# Altium PCB RevA2.PcbDoc (part 1 of 6) (continued)
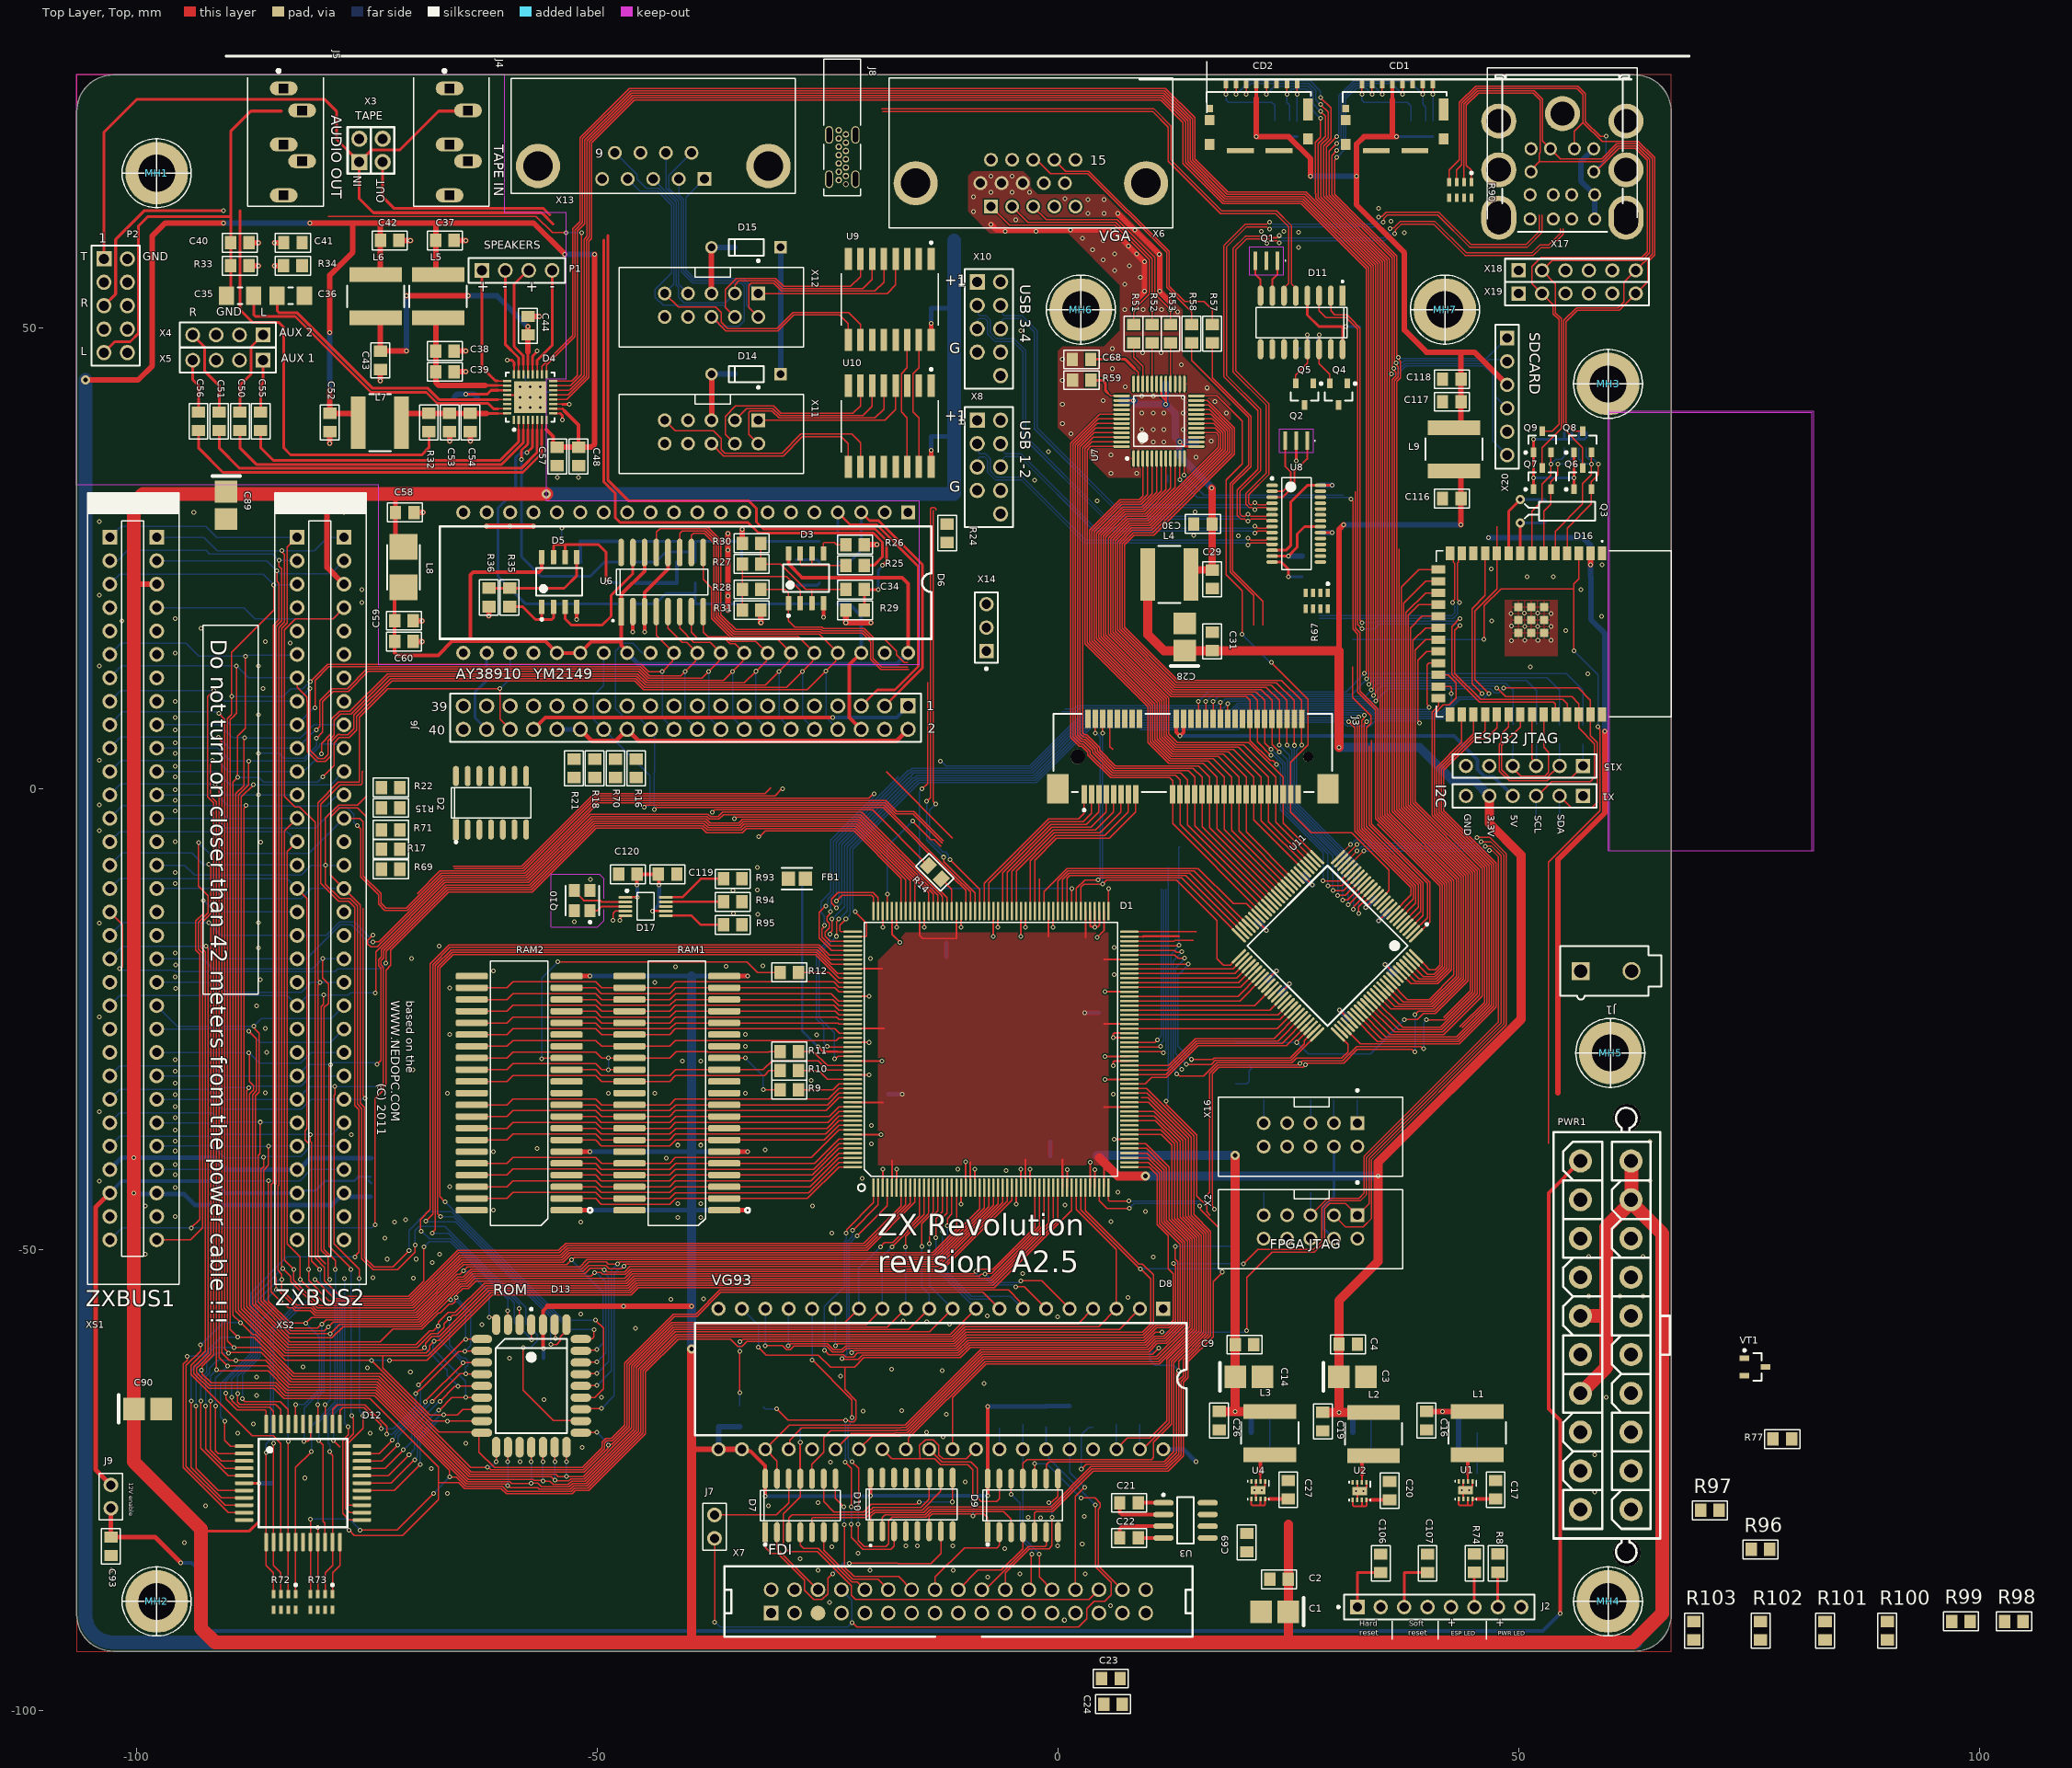
[diagram p0: Top Layer, Top view]
## Components (designator, comment, footprint, x,y, rotation, side; value= is the part's Value field where it differs from the comment) (continued)
J3 "2041262-1" FP-2041262-1-0 14.65,3.9 r0 top locked
J4 "SJ1-3535NG-PI" CUI_SJ1-3535NG-PI -66,76 r270 top
J5 "SJ1-3535NG-PI" CUI_SJ1-3535NG-PI -84,76 r270 top
J6 "61304021121" 61304021121 -40.38,7.73 r180 top locked
J7 "JUMPER" JUMPER_JUMPER(Primary) -37.25,-78.75 r270 top value=PLS-2
J8 "2169890001" 216989-0001_MOL -23,71 r180 top
J9 "JUMPER" JUMPER_JUMPER(Primary) -102.75,-78.04 r90 top value=PLS-2
L1 "NR6028T2R2N" FP-NR6028-MFG 45.5,-69.875 r90 top
L2 "NR6028T2R2N" FP-NR6028-MFG 34.25,-69.975 r90 top
L3 "NR6028T2R2N" FP-NR6028-MFG 23,-69.875 r90 top
L4 "NR6028T470M" FP-NR6028-MFG 12.1,23.25 r0 top
L5 "NR6028T470M" FP-NR6028-MFG -67.25,53.45 r270 top
L6 "NR6028T470M" FP-NR6028-MFG -74,53.45 r270 top
L7 "NR6028T470M" FP-NR6028-MFG -73.55,39.75 r0 top
L8 "LQH43CN220K03L" FP-LQH43CN_03-MFG -71,24.05 r270 top
L9 "NR6028T470M" FP-NR6028-MFG 43,36.85 r90 top
MH1 "MOUNT HOLE" "MOUNT HOLE" -97.78,66.8 r0 top locked
MH2 "MOUNT HOLE" "MOUNT HOLE" -97.78,-88.14 r0 top locked
MH3 "MOUNT HOLE" "MOUNT HOLE" 59.7,43.94 r0 top locked
MH4 "MOUNT HOLE" "MOUNT HOLE" 59.7,-88.14 r0 top locked
MH5 "MOUNT HOLE" "MOUNT HOLE" 59.95,-28.64 r0 top locked
MH6 "MOUNT HOLE" "MOUNT HOLE" 2.5,52 r0 top locked
MH7 "MOUNT HOLE" "MOUNT HOLE" 42,52 r0 top locked
NT1 "net_tie" NET_TIE -55.419,43.061 r180 bottom net-tie
NT2 "net_tie" NET_TIE -57.786,44.419 r90 bottom net-tie
NT3 "net_tie" NET_TIE 11.903,33.669 r90 bottom net-tie
P1 "PLS-4" 61300411121 -58.69,56.25 r0 top value="header 4 pin 2.54mm"
P2 "61301021121" 61301021121 -102.23,52.42 r270 top
PWR1 "ATXPOWER" ATXPOWER 56.706,-78.163 r90 top locked
Q1 "QTAL-12MHz" MURA-CSTCE_G_V 22.631,57.309 r180 top value=CSTCE12M0G55Z-R0
Q2 "QTAL-12MHz" MURA-CSTCE_G_V 25.863,37.774 r180 top value=CSTCE12M0G55Z-R0
Q3 "Crystal 32.768KHZ" ABRA-AB15T-2_V 50.182,30.127 r180 top value=AB15T-32.768KHZ
Q4 "BC817K-25" SOT-23 30.45,42.825 r270 top
Q5 "BC817K-25" SOT-23 26.76,42.825 r270 top
Q6 "BSS138" SOT-23 56.95,33.65 r90 top
Q7 "BSS138" SOT-23 52.55,33.65 r90 top
Q8 "BSS138" SOT-23 56.95,37.65 r90 top
Q9 "BSS138" SOT-23 52.55,37.65 r90 top
Q10 "ABM8G-25MHz" FP-ABM8G-MFG -51.6,-12.1 r90 top value=ABM8G-25.000MHZ-B4Y-T
R1 "CR0805-51" CR0805 44.5,-74.325 r180 bottom value=51Ω
R2 "CR0805-51" CR0805 44.5,-69.825 r180 bottom value=51Ω
R3 "CR0805-51" CR0805 33,-72.025 r180 bottom value=51Ω
R4 "CR0805-51" CR0805 33,-67.625 r180 bottom value=51Ω
R5 "CR0805-51" CR0805 36.5,-49.32 r180 bottom value=51Ω
R6 "CR0805-51" CR0805 22,-72.025 r180 bottom value=51Ω
R7 "CR0805-51" CR0805 22,-67.525 r180 bottom value=51Ω
R8 "CR0805-51" CR0805 47.74,-84 r90 top value=51Ω
R9 "CR0805-51" CR0805 -29.134,-32.625 r180 top value=51Ω
R10 "CR0805-51" CR0805 -29.134,-30.562 r180 top value=51Ω
R11 "CR0805-51" CR0805 -29.136,-28.483 r180 top value=51Ω
R12 "CR0805-51" CR0805 -29.136,-19.903 r180 top value=51Ω
R13 "CR0805-51" CR0805 -11.5,8.75 r90 bottom value=51Ω
R14 "CR0805-51" CR0805 -13.343,-9.038 r135 top value=51Ω
R15 "CR0805-51" CR0805 -72.375,-2.05 r180 top value=51Ω
R16 "CR0805-51" CR0805 -45.75,2.25 r270 top value=51Ω
R17 "CR0805-51" CR0805 -72.375,-6.53 r180 top value=51Ω
R18 "CR0805-51" CR0805 -50.25,2.25 r270 top value=51Ω
R19 "CR0805-51" CR0805 27.42,-43 r270 bottom value=51Ω
R20 "CR0805-51" CR0805 22.34,-43 r270 bottom value=51Ω
R21 "CR0805-51" CR0805 -52.5,2.25 r90 top value=51Ω
R22 "CR0805-51" CR0805 -72.375,0.15 r180 top value=51Ω
R23 "CR0805-51" CR0805 35.25,-47.25 r90 bottom value=51Ω
R24 "CR0805-51" CR0805 -12,27.75 r270 top value=51Ω
R25 "CR0805-51" CR0805 -22,24.25 r0 top value=51Ω
R26 "CR0805-51" CR0805 -22,26.5 r0 top value=51Ω
R27 "CR0805-51" CR0805 -33.23,24.4 r0 top value=51Ω
R28 "CR0805-51" CR0805 -33.23,21.65 r180 top value=51Ω
R29 "CR0805-51" CR0805 -22,19.39 r0 top value=51Ω
R30 "CR0805-51" CR0805 -33.23,26.65 r180 top value=51Ω
R31 "CR0805-51" CR0805 -33.23,19.4 r0 top value=51Ω
R32 "CR0805-51" CR0805 -68.25,39.75 r90 top value=51Ω
R33 "CR0805-51" CR0805 -88.75,56.75 r180 top value=51Ω
R34 "CR0805-51" CR0805 -83,56.75 r0 top value=51Ω
R35 "CR0805-51" CR0805 -59.48,20.775 r270 top value=51Ω
R36 "CR0805-51" CR0805 -61.73,20.775 r90 top value=51Ω
R37 "CR0805-51" CR0805 -40.351,22.345 r0 bottom value=51Ω
R38 "CR0805-51" CR0805 -40.351,24.595 r0 bottom value=51Ω
R39 "CR0805-51" CR0805 -24.851,26.845 r0 bottom value=51Ω
R40 "CR0805-51" CR0805 -24.851,24.595 r0 bottom value=51Ω
R41 "CR0805-51" CR0805 -28.411,25.845 r270 bottom value=51Ω
R42 "CR0805-51" CR0805 -24.851,22.345 r0 bottom value=51Ω
R43 "CR0805-51" CR0805 -28.375,21.095 r90 bottom value=51Ω
R44 "CR0805-51" CR0805 -24.851,20.095 r0 bottom value=51Ω
R45 "CR0805-51" CR0805 -40.351,20.095 r180 bottom value=51Ω
R46 "CR0805-51" CR0805 -40.351,26.845 r180 bottom value=51Ω
R47 "CR0805-51" CR0805 -33.301,22.345 r0 bottom value=51Ω
R48 "CR0805-51" CR0805 -33.301,24.595 r0 bottom value=51Ω
R49 "CR0805-51" CR0805 -52.812,26.845 r180 bottom value=51Ω
R50 "CR0805-51" CR0805 -52.786,24.595 r0 bottom value=51Ω
R51 "CR0805-51" CR0805 8.225,49.375 r90 top value=51Ω
R52 "CR0805-51" CR0805 10.225,49.375 r90 top value=51Ω
R53 "CR0805-51" CR0805 12.225,49.375 r90 top value=51Ω
R54 "CR0805-51" CR0805 12.225,49.375 r90 bottom value=51Ω
R55 "CR0805-51" CR0805 10.225,49.375 r90 bottom value=51Ω
R56 "CR0805-51" CR0805 8.225,49.375 r90 bottom value=51Ω
R57 "CR0805-51" CR0805 16.75,49.375 r90 top value=51Ω
R58 "CR0805-51" CR0805 14.5,49.375 r90 top value=51Ω
R59 "CR0805-51" CR0805 2.58,44.345 r0 top value=51Ω
R60 "CR0805-51" CR0805 -1.25,-67.926 r90 bottom value=51Ω
R61 "CR0805-51" CR0805 -3.8,-67.926 r90 bottom value=51Ω
R62 "CR0805-51" CR0805 1.28,-67.926 r90 bottom value=51Ω
R63 "CR0805-51" CR0805 -27.94,-68.306 r90 bottom value=51Ω
R64 "CAY16-103J4LF" BOUR-CAY16-J4_V 7.961,-66.701 r90 bottom
R65 "CR0805-51" CR0805 3.82,-67.926 r270 bottom value=51Ω
R66 "CR0805-51" CR0805 -31.975,-68.224 r90 bottom value=51Ω
R67 "CAY16-103J4LF" BOUR-CAY16-J4_V 28.1,20.4 r270 top
R68 "CR0805-51" CR0805 27.5,23 r0 bottom value=51Ω
R69 "CR0805-51" CR0805 -72.375,-8.715 r180 top value=51Ω
R70 "CR0805-51" CR0805 -48,2.25 r270 top value=51Ω
R71 "CR0805-51" CR0805 -72.375,-4.44 r0 top value=51Ω
R72 "CAY16-103J4LF" BOUR-CAY16-J4_V -83.9,-88.2 r270 top
R73 "CAY16-103J4LF" BOUR-CAY16-J4_V -79.9,-88.2 r270 top
R74 "CR0805-51" CR0805 45.2,-84 r90 top value=51Ω
R75 "CR0805-51" CR0805 49.38,6 r270 bottom value=51Ω
R76 "CR0805-51" CR0805 18.25,-27.5 r0 bottom value=51Ω
R77 "CR0805-51" CR0805 78.61,-70.525 r0 top value=51Ω
R78 "CR0805-51" CR0805 51.92,5.968 r270 bottom value=51Ω
R79 "CR0805-51" CR0805 54.46,5.875 r270 bottom value=51Ω
R80 "CAY16-103J4LF" BOUR-CAY16-J4_V 26.9,46.9 r270 bottom
R81 "CR0805-51" CR0805 57,5.875 r270 bottom value=51Ω
R82 "CR0805-51" CR0805 51.902,-5 r90 bottom value=51Ω
R83 "CR0805-51" CR0805 54.442,-5 r90 bottom value=51Ω
R84 "CR0805-51" CR0805 32.5,-32.75 r90 bottom value=51Ω
R85 "CR0805-51" CR0805 29.96,-32.75 r90 bottom value=51Ω
R86 "CR0805-51" CR0805 27.42,-32.75 r90 bottom value=51Ω
R87 "CAY16-103J4LF" BOUR-CAY16-J4_V 17.6,-24.1 r0 bottom
R88 "CR0805-51" CR0805 22.34,-32.75 r90 bottom value=51Ω
R89 "CAY16-103J4LF" BOUR-CAY16-J4_V 56.15,37.85 r270 bottom
R90 "CAY16-103J4LF" BOUR-CAY16-J4_V 43.673,64.967 r270 top
R91 "CAY16-103J4LF" BOUR-CAY16-J4_V 24.75,71.608 r270 bottom
R92 "CAY16-103J4LF" BOUR-CAY16-J4_V 39.5,71.608 r270 bottom
R93 "CR0805-51" CR0805 -35.273,-9.75 r0 top value=51Ω
R94 "CR0805-51" CR0805 -35.273,-12.25 r0 top value=51Ω
R95 "CR0805-51" CR0805 -35.273,-14.75 r0 top value=51Ω
R96 "CR0805-51" CR0805 76.25,-82.5 r0 top value=51Ω
R97 "CR0805-51" CR0805 70.75,-78.25 r0 top value=51Ω
R98 "CR0805-51" CR0805 103.749,-90.3 r0 top value=51Ω
R99 "CR0805-51" CR0805 97.999,-90.3 r0 top value=51Ω
R100 "CR0805-51" CR0805 89.999,-91.3 r90 top value=51Ω
R101 "CR0805-51" CR0805 83.249,-91.3 r90 top value=51Ω
R102 "CR0805-51" CR0805 76.249,-91.3 r90 top value=51Ω
R103 "CR0805-51" CR0805 69,-91.3 r90 top value=51Ω
RAM1 "MSM5118160F-JS" SOJ42 -36.2,-45.7 r180 top
RAM2 "MSM5118160F-JS" SOJ42 -53.3,-45.7 r180 top
U1 "TPS62061DSGR" DSG0008A_V 44.25,-76.075 r270 top
U2 "TPS62061DSGR" DSG0008A_V 32.75,-76.175 r270 top
U3 "LTC1263CS8#PBF" LT-S8-8_N 13.863,-79.345 r0 top
U4 "TPS62061DSGR" DSG0008A_V 21.75,-76.075 r270 top
U6 "TLC7524CD" SO16W -42.935,22.445 r90 top
U7 "ADV7125KSTZ140" ST-48_N 10.975,39.895 r90 top
U8 "FE1.1S" TSOP64P600X160-28L 25.875,28.771 r0 top
U9 "PCF8574T/3,518" FP-SOT162-1-MFG -18.245,53.1 r270 top
U10 "PCF8574T/3,518" FP-SOT162-1-MFG -18.245,39.35 r270 top
U11 "EPM240T100C5" TQFP100_M 29.263,-17.015 r225 top locked
VD1 "BAT54C" SOT-23 33,-52.275 r90 bottom
VT1 "BC847" SOT-23 75.65,-62.7 r0 top
X1 "PLS-6" SMTC-TSW-106-07-X-S 56.982,-0.75 r180 top value="6 pin header 2.54mm"
X2 "IDC-10" BH-10 27.42,-47.52 r180 top locked value="10-Pin Shrouded Header, 2.54mm"
X3 "PLB2-2" PLB2-2 -75.79,68 r90 top value=PLD-4
X4 "PLS-4" 61300411121 -90.06,49.25 r180 top value="header 4 pin 2.54mm"
X5 "PLS-4" 61300411121 -90.06,46.5 r180 top value="header 4 pin 2.54mm"
X6 "DSUB-9" 618015330923 -2.93,68.99 r180 top locked value="DSUB, Angled, 15 pins"
X7 "FDD34M" FDD34M -31.105,-89.41 r180 top locked value="Shrouded Header 34 pos 2.54mm 2 row"
X8 "USB_HDR_9pin" "USB HDR 9 pin" -7.48,34.92 r270 top
X10 "USB_HDR_9pin" "USB HDR 9 pin" -7.48,49.92 r270 top
X11 "IDC-10" BH-10 -37.58,38.73 r180 top locked value="10-Pin Shrouded Header, 2.54mm"
X12 "IDC-10" BH-10 -37.58,52.48 r180 top locked value="10-Pin Shrouded Header, 2.54mm"
X13 "DSUB-9" 618009231221 -43.905,70.85 r180 top locked value="DSUB, Angled, 9 pins"
X14 "PLS-3" MOLX-22-28-4033_V -7.75,17.5 r90 top value="header 3 pin, 2.54mm"
X15 "PLS-6" SMTC-TSW-106-07-X-S 56.982,2.5 r180 top value="6 pin header 2.54mm"
X16 "IDC-10" BH-10 27.42,-37.52 r180 top locked value="10-Pin Shrouded Header, 2.54mm"
X17 "USB2_MINI_DIN_6" "USB2_MINI_DIN_6 (USB Only)" 54.75,68.94 r180 top locked
X18 "PLS-6" SMTC-TSW-106-07-X-S 50,56.25 r0 top value="6 pin header 2.54mm"
X19 "PLS-6" SMTC-TSW-106-07-X-S 50,53.75 r0 top value="6 pin header 2.54mm"
X20 "PLS-6" SMTC-TSW-106-07-X-S 48.75,48.915 r270 top value="6 pin header 2.54mm"
XS1 "ZXSLOT" SLOT62_ZXSLOT(PRIMARY) -97.78,27.29 r0 top
XS2 "ZXSLOT" SLOT62_ZXSLOT(PRIMARY) -77.46,27.29 r0 top locked

## Footprints (in the part's own frame and the unit in brackets; to place one, negate y for a bottom-side part, rotate by r counter-clockwise, add the part's x,y. Pads: shape width x height; smd on the part's side, far side on the other; paste and mask are expansions set on the pad)
105162-0001 [mm]
  rect 0.5x1 smd: 1(3.55,-7.34) 2(2.45,-7.34) 3(1.35,-7.34) 4(0.25,-7.34) 5(-0.85,-7.34) 6(-1.95,-7.34) 7(-3.05,-7.34) 8(-4.15,-7.34)
  rect 0.72x0.78 smd: 9(5.31,-4.66)
  rect 1.05x1.08 smd: 10(5.325,-3.39)
  rect 1.05x1.2 smd: 11(5.325,-0.78) 12(-5.325,-1.35)
  rect 1.05x2.39 smd: 13(-5.325,-4.535)
  rect 2.91x0.55 smd: 14(1.986,-0.105) 15(-2.204,-0.105)
  silkscreen extent -5.65,-6.45 5.65,-5.36, body extent -5.65,-7.61 5.65,-0.01, height 1.45
216989-0001_MOL [mm]
  round 0.7 hole 0.4 mask+0: A1(0,0) A4(0,0.9) A5(0,1.8) A6(0,2.7) A7(0,3.6) A9(0,4.5) B1(0.78,4.95) B4(0.78,4.05) B5(0.78,3.15) B6(0.78,2.25) B7(0.78,1.35) B9(0.78,0.45) B12(0.78,-0.45)
  round 0.61 hole 0.406 mask+0: A12(0,5.4)
  oval 0.9x1.9 hole 0.6 slot 1.6 at 90 deg: SH1(-1.04,4.85) SH2(1.82,4.85) SH3(-1.04,0.05) SH4(1.82,0.05)
  silkscreen extent -1.62,-8.18 2.4,6.63, body extent -1.48,-8.03 2.28,6.62, height 9.07
61300411121 [mm] "Pin Header, pitch 2.54 mm, THT, Vertical, single row, 4p"
  rect 1.6x1.6 hole 1.1: 1(-3.81,0)
  round 1.6 hole 1.1: 2(-1.27,0) 3(1.27,0) 4(3.81,0)
  silkscreen extent -5.23,-1.35 5.23,1.35, body extent -5.08,-1.27 5.08,1.27, height 8.57
61301021121 [mm] "Pin Header, pitch 2.54 mm, THT, Vertical, dual row, 10p"
  rect 1.65x1.65 hole 1.1: 1(-5.08,-1.27)
  round 1.65 hole 1.1: 2(-5.08,1.27) 3(-2.54,-1.27) 4(-2.54,1.27) 5(0,-1.27) 6(0,1.27) 7(2.54,-1.27) 8(2.54,1.27) 9(5.08,-1.27) 10(5.08,1.27)
  silkscreen extent -6.5,-2.62 6.5,2.62, body extent -6.35,-2.54 6.35,2.54, height 8.59
61304021121 [mm] "Pin Header, pitch 2.54 mm, THT, Vertical, dual row, 40p"
  rect 1.65x1.65 hole 1.1: 1(-24.13,-1.27)
  round 1.65 hole 1.1: 2(-24.13,1.27) 3(-21.59,-1.27) 4(-21.59,1.27) 5(-19.05,-1.27) 6(-19.05,1.27) 7(-16.51,-1.27) 8(-16.51,1.27) 9(-13.97,-1.27) 10(-13.97,1.27) 11(-11.43,-1.27) 12(-11.43,1.27) 13(-8.89,-1.27) 14(-8.89,1.27) 15(-6.35,-1.27) 16(-6.35,1.27) 17(-3.81,-1.27) 18(-3.81,1.27) 19(-1.27,-1.27) 20(-1.27,1.27) 21(1.27,-1.27) 22(1.27,1.27) 23(3.81,-1.27) 24(3.81,1.27) 25(6.35,-1.27) 26(6.35,1.27) 27(8.89,-1.27) 28(8.89,1.27) 29(11.43,-1.27) 30(11.43,1.27) 31(13.97,-1.27) 32(13.97,1.27) 33(16.51,-1.27) 34(16.51,1.27) 35(19.05,-1.27) 36(19.05,1.27) 37(21.59,-1.27) 38(21.59,1.27) 39(24.13,-1.27) 40(24.13,1.27)
  silkscreen extent -25.55,-2.62 25.55,2.62, body extent -25.4,-2.54 25.4,2.54, height 8.59
618009231221 [mm] "9 pins, right angled, 8.08mm, with hex screw"
  rect 1.5x1.5 hole 1: 1(-5.54,4.69)
  round 1.5 hole 1: 2(-2.77,4.69) 3(0,4.69) 4(2.77,4.69) 5(5.54,4.69) 6(-4.155,1.85) 7(-1.385,1.85) 8(1.385,1.85) 9(4.155,1.85)
  round 4.8 hole 3.2: M1(-12.5,3.27) M2(12.5,3.27)
  silkscreen extent -15.4,-6.25 15.4,6.25, body extent -15.4,-12.25 15.4,6.25, height 12.55
618015330923 [mm] "15 pins, right angled"
  rect 1.5x1.5 hole 1: 1(4.32,5.82)
  round 1.5 hole 1: 2(2.03,5.82) 3(-0.26,5.82) 4(-2.55,5.82) 5(-4.84,5.82) 6(5.46,3.28) 7(3.17,3.28) 8(0.88,3.28) 9(-1.41,3.28) 10(-3.7,3.28) 11(4.32,0.74) 12(2.03,0.74) 13(-0.26,0.74) 14(-2.55,0.74) 15(-4.84,0.74)
  round 4.8 hole 3.2: M1(-12.5,3.28) M2(12.5,3.28)
  silkscreen extent -15.4,-8.15 15.4,8.15, body extent -15.4,-14.15 15.4,8.15, height 12.55
ABRA-AB15T-2_V [mm] "THD, 2-Leads, Body 5.1x1.5mm, Height 1.5mm"
  round 1 hole 0.5: 1(0,1.27) 2(0,-1.27)
  silkscreen extent -8.1,-1.02 -0.51,1.02, body extent -8.28,-1.39 0.1,1.39, height 2.15
ATXPOWER [mm]
  round 2.5 hole 1.5: 1(0,0) 2(4.2,0) 3(8.4,0) 4(12.6,0) 5(16.8,0) 6(21,0) 7(25.2,0) 8(29.4,0) 9(33.6,0) 10(37.8,0) 11(0,-5.5) 12(4.2,-5.5) 13(8.4,-5.5) 14(12.6,-5.5) 15(16.8,-5.5) 16(21,-5.5) 17(25.2,-5.5) 18(29.4,-5.5) 19(33.6,-5.5) 20(37.8,-5.5)
  round 3 hole 3 unplated: 21(-4.7,-5.04) 22(42.5,-5.04)
  silkscreen extent -5.72,-9.7 43.57,2.9, body extent -5.7,-8.8 43.5,2.1, height 13
AVX-TAJ-B-2_M [mm] "Molded Capacitor, 2-Leads, Body 3.7x3mm, IPC Low Density"
  rect 2.35x2.45 smd: 1(-1.475,0) 2(1.475,0)
  silkscreen extent -3.15,-1.5 -3.15,1.5, body extent -2.07,-1.5 2.07,1.5, height 2.1
BH-10 [mm] "Header, 10-Leads, Body 20.02x8.59mm, Pitch 2.54mm"
  rect 1.5x1.5 hole 0.97: 1(-5.08,-1.27)
  round 1.5 hole 0.97: 2(-5.08,1.27) 3(-2.54,-1.27) 4(-2.54,1.27) 5(0,-1.27) 6(0,1.27) 7(2.54,-1.27) 8(2.54,1.27) 9(5.08,-1.27) 10(5.08,1.27)
  silkscreen extent -10.01,-4.95 10.01,4.52, body extent -10.16,-4.58 10.14,4.52, height 9.03
BOUR-CAY16-J4_V [mm] "SMD, 8-Leads, Body 1.6x3.2mm, Pitch 0.8mm"
  rect 0.9x0.425 smd: 1(-0.85,1.2) 2(-0.85,0.4) 3(-0.85,-0.4) 4(-0.85,-1.2) 5(0.85,-1.2) 6(0.85,-0.4) 7(0.85,0.4) 8(0.85,1.2)
  silkscreen extent -1.97,1.08 -1.73,1.33, body extent -0.8,-1.6 0.8,1.6, height 0.6
CAPC3216X190X55ML30T25 [mm] "Chip Capacitor, 2-Leads, Body 3.5x1.9mm, IPC Low Density"
  rect 1.65x2 smd: 1(-1.475,0) 2(1.475,0)
  silkscreen extent -0.25,-0.9 0.25,0.9, body extent -1.75,-0.95 1.75,0.95, height 1.9
CC0805 [mm]
  rect 1.22x1.45 smd paste+0: 1(-1,0) 2(1,0)
  silkscreen extent -1.91,-1.02 1.91,1.02, body extent -1,-0.63 1,0.63, height 0.8
CR0805 [mm]
  rect 1.25x1.45 smd paste+0: 1(-1,0) 2(1,0)
  silkscreen extent -1.91,-1.02 1.91,1.02, body extent -1,-0.63 1,0.63, height 0.65
CUI_SJ1-3535NG-PI [mm]
  oval 1.508x3.016 hole 1 square: 1(0,0) 2(2.4,2) 3(7.9,2) 4(11.6,0) 5(6.1,0)
  silkscreen extent -2.05,-3.9 12.8,4.3, body extent -5.22,-4.06 12.83,4.14, height 12.3
DIP40 [mil]
  rect 60x60 hole 38: 1(0,0)
  round 60 hole 38: 2(0,-100) 3(0,-200) 4(0,-300) 5(0,-400) 6(0,-500) 7(0,-600) 8(0,-700) 9(0,-800) 10(0,-900) 11(0,-1000) 12(0,-1100) 13(0,-1200) 14(0,-1300) 15(0,-1400) 16(0,-1500) 17(0,-1600) 18(0,-1700) 19(0,-1800) 20(0,-1900) 21(600,-1900) 22(600,-1800) 23(600,-1700) 24(600,-1600) 25(600,-1500) 26(600,-1400) 27(600,-1300) 28(600,-1200) 29(600,-1100) 30(600,-1000) 31(600,-900) 32(600,-800) 33(600,-700) 34(600,-600) 35(600,-500) 36(600,-400) 37(600,-300) 38(600,-200) 39(600,-100) 40(600,0)
  silkscreen extent 60,-2000 540,100, body extent -49,-1947 647,49, height 177
DSG0008A_V [mm] "SON, 8-Leads, Body 2x2mm, Pitch 0.5mm, Thermal Pad 1.6x0.9mm, TI Recommended"
  rrect40% 0.5x0.25 smd: 1(-0.95,0.75) 2(-0.95,0.25) 3(-0.95,-0.25) 4(-0.95,-0.75) 5(0.95,-0.75) 6(0.95,-0.25) 7(0.95,0.25) 8(0.95,0.75)
  rrect11% 0.9x1.6 smd paste-0.45: 9(0,0)
  silkscreen extent -1.07,-1.15 1.07,1.15, body extent -1.05,-1.05 1.05,1.05, height 0.8
ESP32S3WROOM1 [mm]
  rect 1.5x0.9 smd: 1(-8.75,5.26) 2(-8.75,3.99) 3(-8.75,2.72) 4(-8.75,1.45) 5(-8.75,0.18) 6(-8.75,-1.09) 7(-8.75,-2.36) 8(-8.75,-3.63) 9(-8.75,-4.9) 10(-8.75,-6.17) 11(-8.75,-7.44) 12(-8.75,-8.71) 13(-8.75,-9.98) 14(-8.75,-11.25) 27(8.75,-11.25) 28(8.75,-9.98) 29(8.75,-8.71) 30(8.75,-7.44) 31(8.75,-6.17) 32(8.75,-4.9) 33(8.75,-3.63) 34(8.75,-2.36) 35(8.75,-1.09) 36(8.75,0.18) 37(8.75,1.45) 38(8.75,2.72) 39(8.75,3.99) 40(8.75,5.26)
  rect 0.9x1.5 smd: 15(-6.985,-12.5) 16(-5.715,-12.5) 17(-4.445,-12.5) 18(-3.175,-12.5) 19(-1.905,-12.5) 20(-0.635,-12.5) 21(0.635,-12.5) 22(1.905,-12.5) 23(3.175,-12.5) 24(4.445,-12.5) 25(5.715,-12.5) 26(6.985,-12.5)
  rect 0.9x0.9 smd: EPAD(-2.9,-2.46) EPAD(-2.9,-1.06) EPAD(-2.9,-3.86) EPAD(-1.5,-1.06) EPAD(-1.5,-2.46) EPAD(-1.5,-3.86) EPAD(-0.1,-1.06) EPAD(-0.1,-2.46) EPAD(-0.1,-3.86)
  Keep-Out Layer, Board region: -24,6 23.5,6 23.5,28 -24,28
  silkscreen extent -10.1,-12.75 9,12.75, body extent -9.04,-12.75 9.03,12.79, height 3
FDD34M [mm]
  rect 1.6x1.6 hole 1.1: 1(0,0)
  round 1.6 hole 1.1: 2(0,-2.54) 3(-2.54,0) 4(-2.54,-2.54) 6(-5.08,-2.54) 7(-7.62,0) 8(-7.62,-2.54) 9(-10.16,0) 10(-10.16,-2.54) 11(-12.7,0) 12(-12.7,-2.54) 13(-15.24,0) 14(-15.24,-2.54) 15(-17.78,0) 16(-17.78,-2.54) 17(-20.32,0) 18(-20.32,-2.54) 19(-22.86,0) 20(-22.86,-2.54) 21(-25.4,0) 22(-25.4,-2.54) 23(-27.94,0) 24(-27.94,-2.54) 25(-30.48,0) 26(-30.48,-2.54) 27(-33.02,0) 28(-33.02,-2.54) 29(-35.56,0) 30(-35.56,-2.54) 31(-38.1,0) 32(-38.1,-2.54) 33(-40.64,0) 34(-40.64,-2.54)
  round 1.6 smd: 5(-5.08,0)
  silkscreen extent -45.72,-5.08 5.08,2.54, body extent -45.81,-5.67 5.17,3.23, height 9.1
FP-2041262-1-0 [mm]
  rect 0.6x2 smd paste+0 mask+0: 1(-11.8,-4.5) 2(-11.4,3.7) 3(-11,-4.5) 4(-10.6,3.7) 5(-10.2,-4.5) 6(-9.8,3.7) 7(-9.4,-4.5) 8(-9,3.7) 9(-8.6,-4.5) 10(-8.2,3.7) 11(-7.8,-4.5) 12(-7.4,3.7) 13(-7,-4.5) 14(-6.6,3.7) 15(-6.2,-4.5) 16(-5.8,3.7) 17(-2.2,-4.5) 18(-1.8,3.7) 19(-1.4,-4.5) 20(-1,3.7) 21(-0.6,-4.5) 22(-0.2,3.7) 23(0.2,-4.5) 24(0.6,3.7) 25(1,-4.5) 26(1.4,3.7) 27(1.8,-4.5) 28(2.2,3.7) 29(2.6,-4.5) 30(3,3.7) 31(3.4,-4.5) 32(3.8,3.7) 33(4.2,-4.5) 34(4.6,3.7) 35(5,-4.5) 36(5.4,3.7) 37(5.8,-4.5) 38(6.2,3.7) 39(6.6,-4.5) 40(7,3.7) 41(7.4,-4.5) 42(7.8,3.7) 43(8.2,-4.5) 44(8.6,3.7) 45(9,-4.5) 46(9.4,3.7) 47(9.8,-4.5) 48(10.2,3.7) 49(10.6,-4.5) 50(11,3.7) 51(11.4,-4.5) 52(11.8,3.7)
  rect 2.3x3.2 smd paste+0 mask+0: 53(-14.65,-3.9) 54(14.65,-3.9)
  round 1.6 hole 1.6 unplated paste-1000 mask+0: ""(-12.5,-0.4)
  round 1.1 hole 1.1 unplated paste-1000 mask+0: ""(12.5,-0.4)
  silkscreen extent -15.1,-6.32 15.1,4.25, body extent -15.9,-5.6 15.9,4.8, height 0.25
FP-ABM8G-MFG [mm]
  rect 1.4x1.2 smd paste+0 mask+0: 1(-1.1,-0.85) 2(1.1,-0.85) 3(1.1,0.85) 4(-1.1,0.85)
  silkscreen extent -2.47,-1.83 1.6,1.83, body extent -1.9,-1.55 1.9,1.55, height 0.25
FP-BLM21-0_2-t0_85-e0_5-IPC_A [mm]
  rect 1.455x1.556 smd paste+0 mask+0: 1(-0.926,0) 2(0.926,0)
  silkscreen extent -1.65,-1.18 1.65,1.18, body extent -1,-0.63 1,0.62, height 1.05
FP-D0008A-MFG [mm]
  rrect17% 1.55x0.6 smd paste+0 mask+0: 1(-2.7,1.905) 2(-2.7,0.635) 3(-2.7,-0.635) 4(-2.7,-1.905) 5(2.7,-1.905) 6(2.7,-0.635) 7(2.7,0.635) 8(2.7,1.905)
  silkscreen extent -4.17,-2.5 1.5,2.5, body extent -3.57,-2.75 3.57,2.75, height 0.25
FP-LQH43CN_03-MFG [mm]
  rect 2.8x3 smd paste+0 mask+0: 1(-2.2,0) 2(2.2,0)
  silkscreen extent -2.41,-1.78 2.41,1.78, body extent -3.85,-1.8 3.85,1.8, height 0.25
FP-NR6028-MFG [mm]
  rect 1.6x5.7 smd paste+0 mask+0: 1(-2.35,0) 2(2.35,0)
  silkscreen extent -1.17,-3.1 1.17,3.1, body extent -3.25,-3.2 3.25,3.2, height 0.25
FP-SOT162-1-MFG [mm]
  rect 2.4x0.8 smd paste+0 mask+0: 1(-4.4,4.495) 8(-4.4,-4.495) 9(4.4,-4.495) 16(4.4,4.495)
  rect 2.4x0.7 smd paste+0 mask+0: 2(-4.4,3.175) 3(-4.4,1.905) 4(-4.4,0.635) 5(-4.4,-0.635) 6(-4.4,-1.905) 7(-4.4,-3.175) 10(4.4,-3.175) 11(4.4,-1.905) 12(4.4,-0.635) 13(4.4,0.635) 14(4.4,1.905) 15(4.4,3.175)
  silkscreen extent -6.29,-5.25 2.83,5.25, body extent -5.72,-5.95 5.72,5.95, height 0.25
FP-TSW-108-08-G-S-MFG [mm]
  rect 1.57x1.57 hole 1.02 paste-1000 mask+0: 1(-8.89,0)
  round 1.57 hole 1.02 paste-1000 mask+0: 2(-6.35,0) 3(-3.81,0) 4(-1.27,0) 5(1.27,0) 6(3.81,0) 7(6.35,0) 8(8.89,0)
  silkscreen extent -11.07,-1.34 10.35,1.34, body extent -10.45,-1.44 10.45,1.44, height 0.25
JUMPER_JUMPER(Primary) [mm]
  round 1.6 hole 1: 0(0,0) 1(2.54,0)
  silkscreen extent -1.27,-1.27 3.81,1.27, body extent -1.27,-1.27 3.81,1.27, height 8.54
LT-S8-8_N [mm] "SOIC, 8-Leads, Body 5x4mm, Pitch 1.27mm, IPC Medium Density"
  oval 2.2x0.6 smd: 1(-2.4,1.905) 2(-2.4,0.635) 3(-2.4,-0.635) 4(-2.4,-1.905) 5(2.4,-1.905) 6(2.4,-0.635) 7(2.4,0.635) 8(2.4,1.905)
  silkscreen extent -2.52,-2.5 0.9,2.88, body extent -2,-2.5 2,2.5, height 1.76
MCHP-PLCC-NH32_L [mm] "PLCC, 32-Leads, Body 13.97x11.43mm, Pitch 1.27mm, IPC High Density"
  oval 0.9x2.25 smd: 1(0,6.65) 2(-1.27,6.65) 3(-2.54,6.65) 4(-3.81,6.65) 14(-3.81,-6.65) 15(-2.54,-6.65) 16(-1.27,-6.65) 17(0,-6.65) 18(1.27,-6.65) 19(2.54,-6.65) 20(3.81,-6.65) 30(3.81,6.65) 31(2.54,6.65) 32(1.27,6.65)
  oval 2.25x0.9 smd: 5(-5.375,5.08) 6(-5.375,3.81) 7(-5.375,2.54) 8(-5.375,1.27) 9(-5.375,0) 10(-5.375,-1.27) 11(-5.375,-2.54) 12(-5.375,-3.81) 13(-5.375,-5.08) 21(5.375,-5.08) 22(5.375,-3.81) 23(5.375,-2.54) 24(5.375,-1.27) 25(5.375,0) 26(5.375,1.27) 27(5.375,2.54) 28(5.375,3.81) 29(5.375,5.08)
  silkscreen extent -3.85,-5.13 3.85,8.45, body extent -6.25,-7.45 6.25,7.45, height 2.89
MOLX-22-28-4033_V [mm] "THD, 3-Leads, Body 7.62x2.49mm, Pitch 2.54mm"
  rect 1.55x1.55 hole 1.02: 1(-2.54,0)
  round 1.55 hole 1.02: 2(0,0) 3(2.54,0)
  silkscreen extent -4.58,-1.24 3.81,1.24, body extent -3.81,-1.24 3.81,1.24, height 8.38
MOLX-39-28-1023-2_V [mm] "THD, 2-Leads, Body 11x5.8mm"
  rect 1.95x1.95 hole 1.45: 1(0,2.75)
  round 1.95 hole 1.45: 2(0,-2.75)
  silkscreen extent -3.1,-6 2.7,5, body extent -3.1,-6 2.7,5, height 13.6
"MOUNT HOLE" [mm]
  round 6.8 hole 4: 0(0,0)
  silkscreen extent -3.75,-3.75 3.75,3.75
MURA-CSTCE_G_V [mm] "SMD, 3-Leads, Body 3.2x1.3mm, Pitch 1.2mm"
  rect 0.4x2 smd: 1(-1.2,0) 2(0,0) 3(1.2,0)
  silkscreen extent -2.1,-0.05 -2,0.05, body extent -1.6,-0.65 1.6,0.65, height 0.7
NET_TIE [mm]
  rect 0.6x0.5 smd mask+0: 1(-0.381,0) 2(0.381,0)
  Top Layer, Top lines w0.15: 0.381,0 -0.381,0
PLB2-2 [mm]
  rect 1.75x1.75 hole 1.1: 1(0,0)
  round 1.75 hole 1.1: 2(2.54,0) 3(0,-2.54) 4(2.54,-2.54)
  silkscreen extent -1.27,-3.81 3.81,1.27, body extent -1.27,-3.81 3.81,1.27, height 8.54
PQFP208X5 [mm]
  rrect50% 2x0.25 smd: 1(0,0) 2(0,-0.5) 3(0,-1) 4(0,-1.5) 5(0,-2) 6(0,-2.5) 7(0,-3) 8(0,-3.5) 9(0,-4) 10(0,-4.5) 11(0,-5) 12(0,-5.5) 13(0,-6) 14(0,-6.5) 15(0,-7) 16(0,-7.5) 17(0,-8) 18(0,-8.5) 19(0,-9) 20(0,-9.5) 21(0,-10) 22(0,-10.5) 23(0,-11) 24(0,-11.5) 25(0,-12) 26(0,-12.5) 27(0,-13) 28(0,-13.5) 29(0,-14) 30(0,-14.5) 31(0,-15) 32(0,-15.5) 33(0,-16) 34(0,-16.5) 35(0,-17) 36(0,-17.5) 37(0,-18) 38(0,-18.5) 39(0,-19) 40(0,-19.5) 41(0,-20) 42(0,-20.5) 43(0,-21) 44(0,-21.5) 45(0,-22) 46(0,-22.5) 47(0,-23) 48(0,-23.5) 49(0,-24) 50(0,-24.5) 51(0,-25) 52(0,-25.5) 105(30,-25.5) 106(30,-25) 107(30,-24.5) 108(30,-24) 109(30,-23.5) 110(30,-23) 111(30,-22.5) 112(30,-22) 113(30,-21.5) 114(30,-21) 115(30,-20.5) 116(30,-20) 117(30,-19.5) 118(30,-19) 119(30,-18.5) 120(30,-18) 121(30,-17.5) 122(30,-17) 123(30,-16.5) 124(30,-16) 125(30,-15.5) 126(30,-15) 127(30,-14.5) 128(30,-14) 129(30,-13.5) 130(30,-13) 131(30,-12.5) 132(30,-12) 133(30,-11.5) 134(30,-11) 135(30,-10.5) 136(30,-10) 137(30,-9.5) 138(30,-9) 139(30,-8.5) 140(30,-8) 141(30,-7.5) 142(30,-7) 143(30,-6.5) 144(30,-6) 145(30,-5.5) 146(30,-5) 147(30,-4.5) 148(30,-4) 149(30,-3.5) 150(30,-3) 151(30,-2.5) 152(30,-2) 153(30,-1.5) 154(30,-1) 155(30,-0.5) 156(30,0)
  rrect50% 0.25x2 smd: 53(2.25,-27.75) 54(2.75,-27.75) 55(3.25,-27.75) 56(3.75,-27.75) 57(4.25,-27.75) 58(4.75,-27.75) 59(5.25,-27.75) 60(5.75,-27.75) 61(6.25,-27.75) 62(6.75,-27.75) 63(7.25,-27.75) 64(7.75,-27.75) 65(8.25,-27.75) 66(8.75,-27.75) 67(9.25,-27.75) 68(9.75,-27.75) 69(10.25,-27.75) 70(10.75,-27.75) 71(11.25,-27.75) 72(11.75,-27.75) 73(12.25,-27.75) 74(12.75,-27.75) 75(13.25,-27.75) 76(13.75,-27.75) 77(14.25,-27.75) 78(14.75,-27.75) 79(15.25,-27.75) 80(15.75,-27.75) 81(16.25,-27.75) 82(16.75,-27.75) 83(17.25,-27.75) 84(17.75,-27.75) 85(18.25,-27.75) 86(18.75,-27.75) 87(19.25,-27.75) 88(19.75,-27.75) 89(20.25,-27.75) 90(20.75,-27.75) 91(21.25,-27.75) 92(21.75,-27.75) 93(22.25,-27.75) 94(22.75,-27.75) 95(23.25,-27.75) 96(23.75,-27.75) 97(24.25,-27.75) 98(24.75,-27.75) 99(25.25,-27.75) 100(25.75,-27.75) 101(26.25,-27.75) 102(26.75,-27.75) 103(27.25,-27.75) 104(27.75,-27.75) 157(27.75,2.25) 158(27.25,2.25) 159(26.75,2.25) 160(26.25,2.25) 161(25.75,2.25) 162(25.25,2.25) 163(24.75,2.25) 164(24.25,2.25) 165(23.75,2.25) 166(23.25,2.25) 167(22.75,2.25) 168(22.25,2.25) 169(21.75,2.25) 170(21.25,2.25) 171(20.75,2.25) 172(20.25,2.25) 173(19.75,2.25) 174(19.25,2.25) 175(18.75,2.25) 176(18.25,2.25) 177(17.75,2.25) 178(17.25,2.25) 179(16.75,2.25) 180(16.25,2.25) 181(15.75,2.25) 182(15.25,2.25) 183(14.75,2.25) 184(14.25,2.25) 185(13.75,2.25) 186(13.25,2.25) 187(12.75,2.25) 188(12.25,2.25) 189(11.75,2.25) 190(11.25,2.25) 191(10.75,2.25) 192(10.25,2.25) 193(9.75,2.25) 194(9.25,2.25) 195(8.75,2.25) 196(8.25,2.25) 197(7.75,2.25) 198(7.25,2.25) 199(6.75,2.25) 200(6.25,2.25) 201(5.75,2.25) 202(5.25,2.25) 203(4.75,2.25) 204(4.25,2.25) 205(3.75,2.25) 206(3.25,2.25) 207(2.75,2.25) 208(2.25,2.25)
  silkscreen extent -0.39,-26.5 28.75,1.69, body extent -0.3,-28.05 30.3,2.55, height 4.15
QFN50P500X500X90_HS-33M [mm] "QFN, 32-Leads, Body 5,00x5,00mm, Pitch 0,50mm, Thermal Pad 3,45x3,45mm, IPC Low Density"
  rect 0.9x0.25 smd: 1(-2.475,1.75) 2(-2.475,1.25) 3(-2.475,0.75) 4(-2.475,0.25) 5(-2.475,-0.25) 6(-2.475,-0.75) 7(-2.475,-1.25) 8(-2.475,-1.75) 17(2.475,-1.75) 18(2.475,-1.25) 19(2.475,-0.75) 20(2.475,-0.25) 21(2.475,0.25) 22(2.475,0.75) 23(2.475,1.25) 24(2.475,1.75)
  rect 0.25x0.9 smd: 9(-1.75,-2.475) 10(-1.25,-2.475) 11(-0.75,-2.475) 12(-0.25,-2.475) 13(0.25,-2.475) 14(0.75,-2.475) 15(1.25,-2.475) 16(1.75,-2.475) 25(1.75,2.475) 26(1.25,2.475) 27(0.75,2.475) 28(0.25,2.475) 29(-0.25,2.475) 30(-0.75,2.475) 31(-1.25,2.475) 32(-1.75,2.475)
  rect 3.45x3.45 smd: 33(0,0)
  silkscreen extent -3.66,-2.65 2.65,2.65, body extent -2.5,-2.5 2.5,2.5, height 0.9
QFP44X8 [mm]
  rrect50% 2x0.4 smd: 1(0,0) 2(0,-0.8) 3(0,-1.6) 4(0,-2.4) 5(0,-3.2) 6(0,-4) 7(0,-4.8) 8(0,-5.6) 9(0,-6.4) 10(0,-7.2) 11(0,-8) 23(12.8,-8) 24(12.8,-7.2) 25(12.8,-6.4) 26(12.8,-5.6) 27(12.8,-4.8) 28(12.8,-4) 29(12.8,-3.2) 30(12.8,-2.4) 31(12.8,-1.6) 32(12.8,-0.8) 33(12.8,0)
  rrect50% 0.4x2 smd: 12(2.4,-10.4) 13(3.2,-10.4) 14(4,-10.4) 15(4.8,-10.4) 16(5.6,-10.4) 17(6.4,-10.4) 18(7.2,-10.4) 19(8,-10.4) 20(8.8,-10.4) 21(9.6,-10.4) 22(10.4,-10.4) 34(10.4,2.4) 35(9.6,2.4) 36(8.8,2.4) 37(8,2.4) 38(7.2,2.4) 39(6.4,2.4) 40(5.6,2.4) 41(4.8,2.4) 42(4,2.4) 43(3.2,2.4) 44(2.4,2.4)
  silkscreen extent 1.6,-8.8 11.2,0.8, body extent 0.4,-10 12.4,2, height 1.08
SLAB-MSOP-10_L [mm] "SOP, 10-Leads, Body 3x3mm, Pitch 0.5mm, IPC High Density"
  oval 1.5x0.3 smd: 1(-2.2,1) 2(-2.2,0.5) 3(-2.2,0) 4(-2.2,-0.5) 5(-2.2,-1) 6(2.2,-1) 7(2.2,-0.5) 8(2.2,0) 9(2.2,0.5) 10(2.2,1)
  silkscreen extent -2.15,-1.5 0.92,1.82, body extent -2.51,-1.5 2.51,1.5, height 1.05
SLOT62_ZXSLOT(PRIMARY) [mm]
  rect 1.6x1.6 hole 1: A1(0,0) B1(-5.08,0)
  round 1.6 hole 1: A2(0,-2.54) A3(0,-5.08) A4(0,-7.62) A5(0,-10.16) A6(0,-12.7) A7(0,-15.24) A8(0,-17.78) A9(0,-20.32) A10(0,-22.86) A11(0,-25.4) A12(0,-27.94) A13(0,-30.48) A14(0,-33.02) A15(0,-35.56) A16(0,-38.1) A17(0,-40.64) A18(0,-43.18) A19(0,-45.72) A20(0,-48.26) A21(0,-50.8) A22(0,-53.34) A23(0,-55.88) A24(0,-58.42) A25(0,-60.96) A26(0,-63.5) A27(0,-66.04) A28(0,-68.58) A29(0,-71.12) A30(0,-73.66) A31(0,-76.2) B2(-5.08,-2.54) B3(-5.08,-5.08) B4(-5.08,-7.62) B5(-5.08,-10.16) B6(-5.08,-12.7) B7(-5.08,-15.24) B8(-5.08,-17.78) B9(-5.08,-20.32) B10(-5.08,-22.86) B11(-5.08,-25.4) B12(-5.08,-27.94) B13(-5.08,-30.48) B14(-5.08,-33.02) B15(-5.08,-35.56) B16(-5.08,-38.1) B17(-5.08,-40.64) B18(-5.08,-43.18) B19(-5.08,-45.72) B20(-5.08,-48.26) B21(-5.08,-50.8) B22(-5.08,-53.34) B23(-5.08,-55.88) B24(-5.08,-58.42) B25(-5.08,-60.96) B26(-5.08,-63.5) B27(-5.08,-66.04) B28(-5.08,-68.58) B29(-5.08,-71.12) B30(-5.08,-73.66) B31(-5.08,-76.2)
  silkscreen extent -7.49,-81.03 2.41,4.83, body extent -7.29,-80.8 2.19,4.54, height 15.73
SMTC-TSW-106-07-X-S [mm] ".025 SQ Post Terminal Strip Assembly, 1x6 Pins, Vertical, 2.54mm Pitch, Male"
  rect 1.55x1.55 hole 1.02: 1(0,0)
  round 1.55 hole 1.02: 2(2.54,0) 3(5.08,0) 4(7.62,0) 5(10.16,0) 6(12.7,0)
  silkscreen extent -1.46,-1.27 14.16,1.27, body extent -1.27,-1.24 13.97,1.3, height 8.38
SO14 [mm]
  rect 2.2x0.622 smd paste+0 mask+0: 1(-2.9,3.81)
  rrect100% 2.2x0.622 smd paste+0 mask+0: 2(-2.9,2.54) 3(-2.9,1.27) 4(-2.9,0) 5(-2.9,-1.27) 6(-2.9,-2.54) 7(-2.9,-3.81) 8(2.9,-3.81) 9(2.9,-2.54) 10(2.9,-1.27) 11(2.9,0) 12(2.9,1.27) 13(2.9,2.54) 14(2.9,3.81)
  silkscreen extent -4.37,-4.33 1.65,4.33, body extent -3,-4.35 3,4.35, height 1.6
SO16 [mm]
  rect 2.2x0.622 smd: 1(-2.9,4.445)
  rrect100% 2.2x0.622 smd: 2(-2.9,3.175) 3(-2.9,1.905) 4(-2.9,0.635) 5(-2.9,-0.635) 6(-2.9,-1.905) 7(-2.9,-3.175) 8(-2.9,-4.445) 9(2.9,-4.445) 10(2.9,-3.175) 11(2.9,-1.905) 12(2.9,-0.635) 13(2.9,0.635) 14(2.9,1.905) 15(2.9,3.175) 16(2.9,4.445)
  silkscreen extent -4.54,-4.95 1.65,4.96, body extent -2.98,-4.99 2.92,4.99, height 1.45
SO16W [mm]
  rect 3x0.622 smd: 1(-3.2,4.445)
  rrect100% 3x0.622 smd: 2(-3.2,3.175) 3(-3.2,1.905) 4(-3.2,0.635) 5(-3.2,-0.635) 6(-3.2,-1.905) 7(-3.2,-3.175) 8(-3.2,-4.445) 9(3.2,-4.445) 10(3.2,-3.175) 11(3.2,-1.905) 12(3.2,-0.635) 13(3.2,0.635) 14(3.2,1.905) 15(3.2,3.175) 16(3.2,4.445)
  silkscreen extent -4.29,-4.95 1.4,5.43, body extent -3.96,-5.1 3.96,5.1, height 2
SOJ42 [mm]
  rrect50% 3.5x0.7 smd: 1(0,0) 2(0,-1.27) 3(0,-2.54) 4(0,-3.81) 5(0,-5.08) 6(0,-6.35) 7(0,-7.62) 8(0,-8.89) 9(0,-10.16) 10(0,-11.43) 11(0,-12.7) 12(0,-13.97) 13(0,-15.24) 14(0,-16.51) 15(0,-17.78) 16(0,-19.05) 17(0,-20.32) 18(0,-21.59) 19(0,-22.86) 20(0,-24.13) 21(0,-25.4) 22(10.287,-25.4) 23(10.287,-24.13) 24(10.287,-22.86) 25(10.287,-21.59) 26(10.287,-20.32) 27(10.287,-19.05) 28(10.287,-17.78) 29(10.287,-16.51) 30(10.287,-15.24) 31(10.287,-13.97) 32(10.287,-12.7) 33(10.287,-11.43) 34(10.287,-10.16) 35(10.287,-8.89) 36(10.287,-7.62) 37(10.287,-6.35) 38(10.287,-5.08) 39(10.287,-3.81) 40(10.287,-2.54) 41(10.287,-1.27) 42(10.287,0)
  silkscreen extent -2.79,-27.05 8.26,1.65, body extent -0.44,-27 10.86,1.6, height 3.76